# Altium PCB MB1428.PcbDoc (part 2 of 7)
Units mm, origin at the board's own origin, x right, y up, seen from the top; angles counter-clockwise.
Board outline 55.88 x 152.4 mm, 4 copper layers (Top Layer, Signal Layer 1, Signal Layer 2, Bottom Layer), stack 1.614 mm thick; 396 components, 227 nets, 1346 pads, 1469 vias.
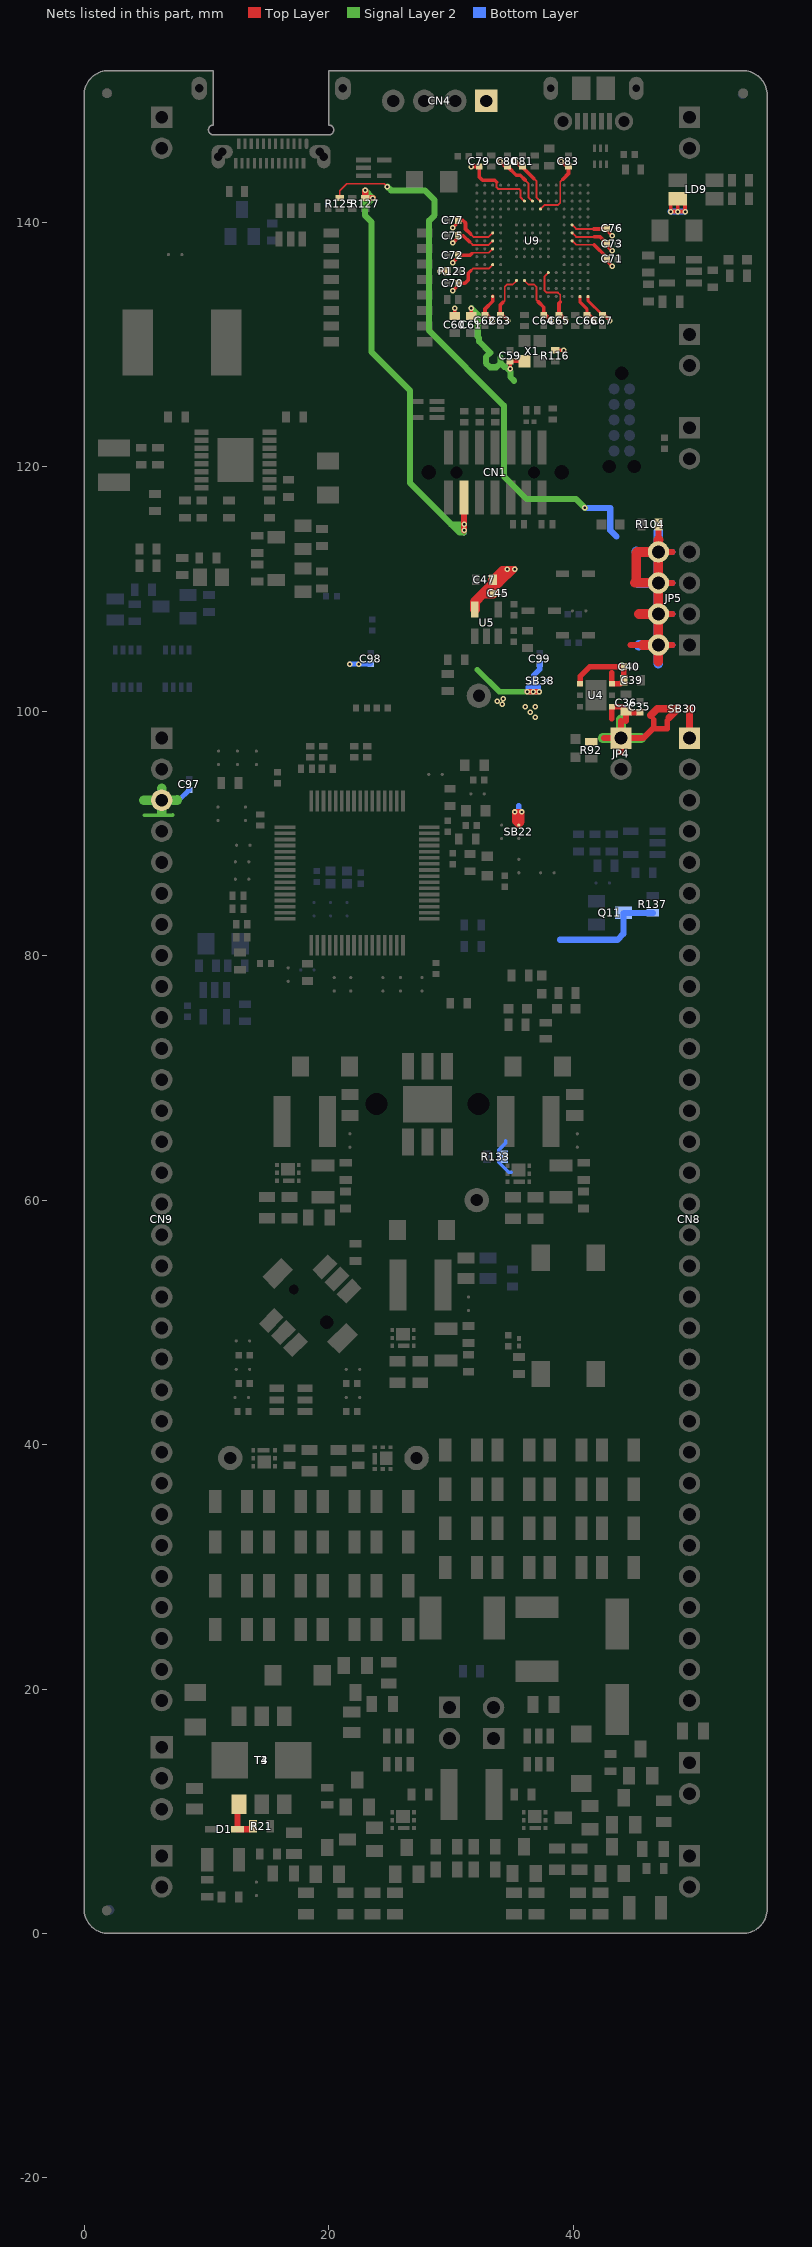
[diagram p4: the nets of this part, all layers, seen from the top]

## Footprints (in the part's own frame and the unit in brackets; to place one, negate y for a bottom-side part, rotate by r counter-clockwise, add the part's x,y. Pads: shape width x height; smd on the part's side, far side on the other; paste and mask are expansions set on the pad) (continued)
ICC_UFBGA201_176+25_10X10_P065 [mm] "IPC"
  round 0.25 smd mask+0.05: A1(-4.55,4.55) A2(-3.9,4.55) A3(-3.25,4.55) A4(-2.6,4.55) A5(-1.95,4.55) A6(-1.3,4.55) A7(-0.65,4.55) A8(0,4.55) A9(0.65,4.55) A10(1.3,4.55) A11(1.95,4.55) A12(2.6,4.55) A13(3.25,4.55) A14(3.9,4.55) A15(4.55,4.55) B1(-4.55,3.9) B2(-3.9,3.9) B3(-3.25,3.9) B4(-2.6,3.9) B5(-1.95,3.9) B6(-1.3,3.9) B7(-0.65,3.9) B8(0,3.9) B9(0.65,3.9) B10(1.3,3.9) B11(1.95,3.9) B12(2.6,3.9) B13(3.25,3.9) B14(3.9,3.9) B15(4.55,3.9) C1(-4.55,3.25) C2(-3.9,3.25) C3(-3.25,3.25) C4(-2.6,3.25) C5(-1.95,3.25) C6(-1.3,3.25) C7(-0.65,3.25) C8(0,3.25) C9(0.65,3.25) C10(1.3,3.25) C11(1.95,3.25) C12(2.6,3.25) C13(3.25,3.25) C14(3.9,3.25) C15(4.55,3.25) D1(-4.55,2.6) D2(-3.9,2.6) D3(-3.25,2.6) D4(-2.6,2.6) D5(-1.95,2.6) D6(-1.3,2.6) D7(-0.65,2.6) D8(0,2.6) D9(0.65,2.6) D10(1.3,2.6) D11(1.95,2.6) D12(2.6,2.6) D13(3.25,2.6) D14(3.9,2.6) D15(4.55,2.6) E1(-4.55,1.95) E2(-3.9,1.95) E3(-3.25,1.95) E4(-2.6,1.95) E12(2.6,1.95) E13(3.25,1.95) E14(3.9,1.95) E15(4.55,1.95) F1(-4.55,1.3) F2(-3.9,1.3) F3(-3.25,1.3) F4(-2.6,1.3) F6(-1.3,1.3) F7(-0.65,1.3) F8(0,1.3) F9(0.65,1.3) F10(1.3,1.3) F12(2.6,1.3) F13(3.25,1.3) F14(3.9,1.3) F15(4.55,1.3) G1(-4.55,0.65) G2(-3.9,0.65) G3(-3.25,0.65) G4(-2.6,0.65) G6(-1.3,0.65) G7(-0.65,0.65) G8(0,0.65) G9(0.65,0.65) G10(1.3,0.65) G12(2.6,0.65) G13(3.25,0.65) G14(3.9,0.65) G15(4.55,0.65) H1(-4.55,0) H2(-3.9,0) H3(-3.25,0) H4(-2.6,0) H6(-1.3,0) H7(-0.65,0) H8(0,0) H9(0.65,0) H10(1.3,0) H12(2.6,0) H13(3.25,0) H14(3.9,0) H15(4.55,0) J1(-4.55,-0.65) J2(-3.9,-0.65) J3(-3.25,-0.65) J4(-2.6,-0.65) J6(-1.3,-0.65) J7(-0.65,-0.65) J8(0,-0.65) J9(0.65,-0.65) J10(1.3,-0.65) J12(2.6,-0.65) J13(3.25,-0.65) J14(3.9,-0.65) J15(4.55,-0.65) K1(-4.55,-1.3) K2(-3.9,-1.3) K3(-3.25,-1.3) K4(-2.6,-1.3) K6(-1.3,-1.3) K7(-0.65,-1.3) K8(0,-1.3) K9(0.65,-1.3) K10(1.3,-1.3) K12(2.6,-1.3) K13(3.25,-1.3) K14(3.9,-1.3) K15(4.55,-1.3) L1(-4.55,-1.95) L2(-3.9,-1.95) L3(-3.25,-1.95) L4(-2.6,-1.95) L12(2.6,-1.95) L13(3.25,-1.95) L14(3.9,-1.95) L15(4.55,-1.95) M1(-4.55,-2.6) M2(-3.9,-2.6) M3(-3.25,-2.6) M4(-2.6,-2.6) M5(-1.95,-2.6) M6(-1.3,-2.6) M7(-0.65,-2.6) M8(0,-2.6) M9(0.65,-2.6) M10(1.3,-2.6) M11(1.95,-2.6) M12(2.6,-2.6) M13(3.25,-2.6) M14(3.9,-2.6) M15(4.55,-2.6) N1(-4.55,-3.25) N2(-3.9,-3.25) N3(-3.25,-3.25) N4(-2.6,-3.25) N5(-1.95,-3.25) N6(-1.3,-3.25) N7(-0.65,-3.25) N8(0,-3.25) N9(0.65,-3.25) N10(1.3,-3.25) N11(1.95,-3.25) N12(2.6,-3.25) N13(3.25,-3.25) N14(3.9,-3.25) N15(4.55,-3.25) P1(-4.55,-3.9) P2(-3.9,-3.9) P3(-3.25,-3.9) P4(-2.6,-3.9) P5(-1.95,-3.9) P6(-1.3,-3.9) P7(-0.65,-3.9) P8(0,-3.9) P9(0.65,-3.9) P10(1.3,-3.9) P11(1.95,-3.9) P12(2.6,-3.9) P13(3.25,-3.9) P14(3.9,-3.9) P15(4.55,-3.9) R1(-4.55,-4.55) R2(-3.9,-4.55) R3(-3.25,-4.55) R4(-2.6,-4.55) R5(-1.95,-4.55) R6(-1.3,-4.55) R7(-0.65,-4.55) R8(0,-4.55) R9(0.65,-4.55) R10(1.3,-4.55) R11(1.95,-4.55) R12(2.6,-4.55) R13(3.25,-4.55) R14(3.9,-4.55) R15(4.55,-4.55)
  silkscreen extent -5.22,-5.07 5.07,5.23, body extent -5.07,-5.07 5.07,5.07, height 0.61
IND_8040_WURTH_74437358068 [mm] "MCD-01372"
  rect 2.5x5.4 smd mask+0.05: 1(-3.625,0) 2(3.625,0)
  silkscreen extent -4.6,-4.25 4.6,4.25, body extent -4.6,-4.25 4.6,4.25, height 4
IND_SUNLORD_SWPA5040S [mm] "MCD-01734"
  rect 4.2x1.4 smd mask+0.05: 1(0,1.85) 2(0,-1.85)
  silkscreen extent -2.6,-2.68 2.6,2.68, body extent -2.6,-2.6 2.6,2.6, height 4
L0603 [mm]
  rect 0.8x0.95 smd mask+0.05: 1(-0.8,0) 2(0.8,0)
  silkscreen extent -1.33,-0.6 1.33,0.6, body extent -0.87,-0.47 0.87,0.47, height 0.95
LED_0603_GREEN [mm]
  rect 0.8x0.8 smd mask+0.05: 1(-0.75,0) 2(0.75,0)
  silkscreen extent -0.25,-0.4 1.25,0.4, body extent -0.8,-0.4 0.8,0.4, height 0.6
LED_0603_ORANGE_H0P4 [mm]
  rect 0.8x0.8 smd mask+0.05: 1(-0.75,0) 2(0.75,0)
  silkscreen extent -0.25,-0.4 1.25,0.4, body extent -0.8,-0.4 0.79,0.4, height 0.4
LED_0603_RED [mm]
  rect 0.8x0.8 smd mask+0.05: 1(-0.75,0) 2(0.75,0)
  silkscreen extent -0.25,-0.4 1.25,0.4, body extent -0.8,-0.4 0.8,0.4, height 0.6
LED_0603_SMD-B_BLUE_H0P4 [mm]
  rect 0.6x1 smd mask+0.05: 1(-0.65,0) 2(0.65,0)
  silkscreen extent -0.23,-0.45 1.07,0.45, body extent -0.85,-0.45 0.85,0.45, height 0.5
LED_BI-GR_HSMF-A201-A00J1 [mm] "MCD-00051"
  rect 1.1x1.5 smd mask+0.05: 1(-0.75,-1.5) 2(-0.75,1.5) 3(0.75,1.5) 4(0.75,-1.5)
  silkscreen extent -1.65,-1.85 1.5,1.7, body extent -1.5,-1.85 1.5,1.85, height 2.1
LED_PLCC6-EPAD_LUMEX_SML-LX5050SIUPGUBC [mm] "MCD-01580"
  rect 2.2x1 smd mask+0.05: 1(3.1,-1.6) 2(3.1,0) 3(3.1,1.6) 4(-3.1,1.6) 5(-3.1,0) 6(-3.1,-1.6)
  rect 3x4 smd mask+0.05: 7(0,0)
  silkscreen extent -2.5,-2.5 3.2,2.5, body extent -2.5,-2.5 2.5,2.5, height 1.35
LIGHT_10MM-SQUARE-LIGHT-BAR_LUMEX_LPB-S01110101S [mm] "MCD-01191"
  round 0 hole 1.8 slot 3.8 at 90 deg unplated mask+0.05: NPTH1(-4.18,0) NPTH2(4.18,0)
  Bottom Layer keep-out region: -5.2,1.075 -5.2,-1.075 -5.75,-1.075 -5.75,-1.05 -5.75,1.075
  Bottom Layer keep-out region: 5.2,-1.075 5.2,1.075 5.75,1.075 5.75,1.05 5.75,-1.075
  silkscreen extent -5.08,-5.08 5.08,5.08, body extent -5.08,-5.08 5.08,5.08, height 10.3
LOGO_ETIQUETTE [mm]
  silkscreen extent 0,0 27,10
MIRE_PLACE_SMD_0P8MM [mm]
  round 0.8 smd paste-10 mask+0.2: 1(0,0)
  Top Layer keep-out circle w0.01: c0,0 r0.804
MOS_POWERFLAT_2X2_P065 [mm] "MCD-01028  PowerFLAT, 6-Leads, Body 2.1x2.1mm"
  rect 0.35x0.3 smd mask+0.038: 1(-0.65,-0.9) 2(0,-0.9) 3(0.65,-0.9) 4(0.65,0.875) 5(0,0.875) 6(-0.65,0.875)
  rect 0.35x0.95 smd mask+0.038: 7(0.65,0.05)
  rect 1.05x1.125 smd mask+0.038: 8(-0.3,-0.012)
  silkscreen extent -1.2,-1.2 1.05,1.05, body extent -1.05,-1.05 1.05,1.05, height 0.81
MOS_POWERFLAT_3P3X3P3_P065 [mm] "MCD-01126"
  rect 0.4x0.75 smd mask+0.05: 1(-0.975,-1.525) 2(-0.325,-1.525) 3(0.325,-1.525) 4(0.975,-1.525) 6(0.325,1.525) 7(-0.325,1.525)
  rect 0.45x0.75 smd mask+0.05: 5(1,1.525) 8(-1,1.525)
  Top Layer region: -1.755,0.2 -1.755,-0.2 -1.225,-0.2 -1.225,-0.5 1.225,-0.5 1.225,-0.2 1.755,-0.2 1.755,0.2 1.225,0.2 1.225,1.9 -1.225,1.9 -1.225,0.2
  silkscreen extent -1.63,-1.55 1.63,1.55, body extent -1.75,-1.75 1.75,1.75, height 0.91
MOS_SOT23 [mm]
  rect 1x1.4 smd mask+0.05: 1(-0.95,-1.1) 2(0.95,-1.1) 3(0,1.1)
  silkscreen extent -1.63,-0.82 1.63,0.82, body extent -1.56,-1.25 1.56,1.25, height 1.1
MOS_SOT23-5L [mm]
  rect 0.6x1.3 smd mask+0.05: 1(-0.95,-1.1) 2(0,-1.1) 3(0.95,-1.1) 4(0.95,1.1) 5(-0.95,1.1)
  silkscreen extent -1.6,-0.95 1.6,0.97, body extent -1.52,-1.25 1.52,1.25, height 1.45
MOS_SOT23-6L [mm]
  rect 0.6x1.2 smd mask+0.05: 1(-0.95,-1.15) 2(0,-1.15) 3(0.95,-1.15) 4(0.95,1.15) 5(0,1.15) 6(-0.95,1.15)
  silkscreen extent -1.53,-0.87 1.53,0.87, body extent -1.52,-1.5 1.52,1.5, height 1.3
NPN_SOT23 [mm]
  rect 1x1.4 smd mask+0.05: 1(-0.95,-1.1) 2(0.95,-1.1) 3(0,1.1)
  silkscreen extent -1.63,-0.82 1.63,0.82, body extent -1.56,-1.25 1.56,1.25, height 1.1
OSC_NDK_NZ2520SB_4P [mm]
  rect 1x1 smd mask+0.05: 1(-0.825,-0.625) 2(0.825,-0.625) 3(0.825,0.625) 4(-0.825,0.625)
  silkscreen extent -1.43,-1.22 1.2,1.05, body extent -1.3,-1.05 1.3,1.05, height 0.91
PTC_EATON_FUSE_PTS1812_H0P9 [mm] "MCD-01682"
  rect 1.78x3.5 smd mask+0.05: 1(-2.615,0) 2(2.615,0)
  silkscreen extent -1.6,-1.73 1.6,1.73, body extent -2.36,-1.74 2.37,1.74, height 1.03
R0402 [mm]
  rect 0.51x0.7 smd mask+0.05: 1(-0.45,0) 2(0.45,0)
  silkscreen extent 0,-0.3 0,0.3, body extent -0.52,-0.3 0.52,0.3, height 0.4
R0603 [mm]
  rect 0.64x1 smd mask+0.05: 1(-0.7,0) 2(0.7,0)
  silkscreen extent -1.05,-0.58 1.05,0.58, body extent -0.9,-0.5 0.9,0.5, height 0.56
R0603_H0P45 [mm]
  rect 0.64x1 smd mask+0.05: 1(-0.7,0) 2(0.7,0)
  silkscreen extent -1.05,-0.58 1.05,0.58, body extent -0.9,-0.5 0.9,0.5, height 0.56
R0805 [mm]
  rect 0.85x1.3 smd mask+0.05: 1(-0.875,0) 2(0.875,0)
  silkscreen extent -0.33,-0.67 0.33,0.67, body extent -1.05,-0.68 1.05,0.68, height 0.65
R0805_H0P5 [mm] "MCD-01537"
  rect 0.85x1.3 smd mask+0.05: 1(-0.875,0) 2(0.875,0)
  silkscreen extent -0.33,-0.67 0.33,0.67, body extent -1.05,-0.68 1.05,0.68, height 0.6
R1206_H0P55 [mm]
  rect 1x1.9 smd mask+0.05: 1(-1.3,0) 2(1.3,0)
  silkscreen extent -0.67,-0.85 0.67,0.85, body extent -1.6,-0.85 1.6,0.85, height 0.65
REG_SOT23-5L [mm]
  rect 0.6x1.3 smd mask+0.05: 1(-0.95,-1.1) 2(0,-1.1) 3(0.95,-1.1) 4(0.95,1.1) 5(-0.95,1.1)
  silkscreen extent -1.6,-0.95 1.6,0.97, body extent -1.52,-1.25 1.52,1.25, height 1.1
Sheetbox_4L2S [mil] "Sheetbox 4 layers / 2 silkscreens"
  round 20 on Mech16: 1(813.78,210.69) 1(2736.9,210.69)
SOLDER-BRIDGE_R0603-0R [mil]
  round 10 smd paste-393.7: 1(-19.69,0) 2(23.62,0)
  Top Layer region: -5.91,19.69 13.78,0 -5.91,-19.68 47.24,-19.68 47.24,19.69 -5.91,19.69
  Top Layer region: -47.24,-19.68 -47.24,19.69 -15.75,19.69 3.94,0 -15.75,-19.68 -47.24,-19.68
  silkscreen extent -50,-23 50,23, body extent -36,-20 36,20, height 22
SWI_C&K_TDP08H1SBD1 [mm] "MCD-01684"
  rect 0.76x1.27 smd mask+0.05: 1(-4.445,-3.81) 2(-3.175,-3.81) 3(-1.905,-3.81) 4(-0.635,-3.81) 5(0.635,-3.81) 6(1.905,-3.81) 7(3.175,-3.81) 8(4.445,-3.81) 9(-4.445,3.81) 10(-3.175,3.81) 11(-1.905,3.81) 12(-0.635,3.81) 13(0.635,3.81) 14(1.905,3.81) 15(3.175,3.81) 16(4.445,3.81)
  silkscreen extent -5.65,-3 5.65,3, body extent -5.65,-4.06 5.65,4.06, height 4.4
SWI_WEALTHMETAL_TD-0341_4P_BLACK [mm]
  rect 1.52x2.16 smd mask+0.05: 1(-2.25,-4.75) 2(-2.25,4.75) 3(2.25,-4.75) 4(2.25,4.75)
  silkscreen extent -3,-3.5 3,3.5, body extent -3,-5.15 3,5.15, height 7.55
SWI_XIEJIA_MT-008A_6P [mm] "MCD-00132"
  rect 1.8x1.1 smd mask+0.05: 1(-3.1,1.4) 2(-3.1,0) 3(-3.1,-1.4) 4(3.1,1.4) 5(3.1,0) 6(3.1,-1.4)
  rect 2.2x1.4 smd mask+0.05: 7(0,3.75) 8(0,-3.75)
  round 0 hole 0.8 unplated paste-10 mask+0.05: NPTH1(0,1.9)
  round 0 hole 1.1 unplated paste-10 mask+0.05: NPTH2(0,-1.9)
  silkscreen extent -3.7,-3.7 3.7,3.7, body extent -3.85,-3.75 3.85,3.75, height 5.2
TP_PTH_1MM_2MM [mm] "MCD-01506"
  round 2 hole 1 mask+0.05: 1(0,0)
  silkscreen extent -1.2,-1.2 1.2,1.2
TRS_WURTH_749251125 [mm] "MCD-01570"
  rect 1.6x1.2 smd mask+0.05: 1(-3.6,1.85) 2(-3.6,0) 3(-3.6,-1.85) 4(3.6,-1.85) 5(3.6,0) 6(3.6,1.85)
  rect 3x2.5 smd mask+0.05: 7(0,-2.6) 8(0,2.6)
  silkscreen extent -3,-3 3,3, body extent -3.85,-3.45 3.85,3.45, height 5.33
TRS_WURTH_750317809 [mm] "MCD-01596"
  rect 1.6x1.2 smd mask+0.05: 1(-3.6,1.85) 2(-3.6,0) 3(-3.6,-1.85) 4(3.6,-1.85) 5(3.6,0) 6(3.6,1.85)
  rect 3x3 smd mask+0.05: 7(0,-2.6) 8(0,2.6)
  silkscreen extent -3,-3 3,3, body extent -3.85,-3.45 3.85,3.45, height 5.33

## Part data
B1: library part MCD-00001, "Non-Open Push-Button 0.1A 24V BLACK", Manufacturer=WEALTHMETAL, Manufacturer_Part_Number=TD-0341, ComponentLink1Description=Datasheet, ComponentLink1URL=http://tunmcdsvn.tun.st.com/Component_Datasheet_Library/Trunk/Misc/Wealthmetal_Tact-Switch_TD0341, Internal_Part_Number=MCD-00001, Part_Type=Misc, Provided_By=SUBCO, Status=Released
B2: library part MCD-00132, "Joystick, 4 dir, 1 OK", Manufacturer="XIEJIA Electronics", Manufacturer_Part_Number=MT-008A, ComponentLink1Description=Datasheet, ComponentLink1URL="http://tunmcdsvn.tun.st.com/Component_Datasheet_Library/Trunk/Misc/Xieja electronics_MT-008A", Internal_Part_Number=MCD-00132, Part_Type=Misc, Provided_By=SUBCO, Status=Released
C1: library part MCD-01576, "Capacitor, MLCC, 680pF, 16V, X7R, 10%, 0603, T=0.8mm", Manufacturer=YAGEO, Manufacturer_Part_Number=CC0603KRX7R7BB681, Package=C0603, ComponentLink1Description=Datasheet, ComponentLink1URL=http://tunmcdsvn.tun.st.com/Component_Datasheet_Library/Trunk/Capacitors/Yageo_Multilayer_Capacitor_X7R_series_100pF_to_22uF/YAGEO_MLCC_UPY-GPHC_X7R_6.3V-to-50V_18.pdf, Internal_Part_Number=MCD-01576, Part_Type=Capacitor, Provided_By=SUBCO, Status="Footprint available"
C2: library part MCD-01544, "Capacitor, MLCC, 6.8nF, 50V, X7R, 10%, 0603, T=0.8mm", Manufacturer=YAGEO, Manufacturer_Part_Number=CC0603KRX7R9BB682, Package=C0603, ComponentLink1Description=Datasheet, ComponentLink1URL=http://tunmcdsvn.tun.st.com/Component_Datasheet_Library/Trunk/Capacitors/Yageo_Multilayer_Capacitor_X7R_series_100pF_to_22uF/Yageo_Mutilayer_Capacitor_X7R_100pF_to_22uF.pdf, Internal_Part_Number=MCD-01544, Part_Type=Capacitor, Provided_By=SUBCO, Status="Footprint available"
C3: library part MCD-01103, "Capacitor,22nF,50V,X7R,10%,0603", Manufacturer=YAGEO, Manufacturer_Part_Number=CC0603KRX7R9BB223, Package=C0603, ComponentLink1Description=Datasheet, ComponentLink1URL=http://tunmcdsvn.tun.st.com/Component_Datasheet_Library/Trunk/Capacitors/Yageo_Multilayer_Capacitor_X7R_series_100pF_to_22uF/Yageo_Mutilayer_Capacitor_X7R_100pF_to_22uF.pdf, Internal_Part_Number=MCD-01103, Part_Type=Capacitor, Provided_By=SUBCO, Status="Footprint available"
C4 C5 C6 C9 C87: library part MCD-01525, "Capacitor, MLCC, 100nF, 50V, X7R, 10%, 0805, T=0,85mm", Manufacturer=YAGEO, Manufacturer_Part_Number=CC0805KRX7R9BB104, Package=C0805, ComponentLink1Description=Datasheet, ComponentLink1URL=http://tunmcdsvn.tun.st.com/Component_Datasheet_Library/Trunk/Capacitors/Yageo_Multilayer_Capacitor_X7R_series_100pF_to_22uF/Yageo_Mutilayer_Capacitor_X7R_100pF_to_22uF.pdf, Internal_Part_Number=MCD-01525, Part_Type=Capacitor, Provided_By=SUBCO, Status="Footprint available"
C7: library part MCD-01683, "Capacitor, Electrolytic, 100µF, 35V, 20%, SMT, D=8mm, T=10.5mm", Manufacturer="WURTH ELEKTRONIK", Manufacturer_Part_Number=865060553006, ComponentLink1Description=Datasheet, ComponentLink1URL=http://tunmcdsvn.tun.st.com/Component_Datasheet_Library/Trunk/Capacitors/WURTH_ELEKTRONIC_Electrolytic_ASLL_Series/WURTH_ELEKTRONIC_ASLL-Series_100uF_865060553006.pdf, Internal_Part_Number=MCD-01683, Part_Type=Capacitor, Provided_By=SUBCO, Revision="July-2002: Re-released for DXP Platform.", Status="Footprint available"
C8: library part MCD-01517, "Capacitor, MLCC, 47uF, 25V, X5R, 20%, 1206, T=1,6mm", Manufacturer=TDK, Manufacturer_Part_Number=C3216X5R1E476M160AC, Package=C1206, ComponentLink1Description=Datasheet, ComponentLink1URL=http://tunmcdsvn.tun.st.com/Component_Datasheet_Library/Trunk/Capacitors/TDK_Capacitor_MCC_series/TDK_Capacitor_MCC_series.pdf, ECCN_EU=NEC, ECCN_US=EAR99, Internal_Part_Number=MCD-01517, Part_Type=Capacitor, Provided_By=SUBCO, Status="NRND (Not Recommended for New Design)"
C10 C11 C12 C13 C15 C16 C24 C25 C26 C28 C30 C31 C33 C34 C35 C40 C43 C45 C56 C59 C62 C63 C64 C65 C66 C67 C70 C71 C72 C73 C75 C76 C77 C79 C80 C81 C83 C88 C97 C98 C99 C100 C101 C103 C104: library part MCD-00102, "Capacitor, MLCC, 100nF, 16V, X7R, 10%, 0402, T=0,5mm", Alternate_Manufacturer=MURATA, Alternate_Manufacturer_Part_Number=GCM155R71C104KA55D, Manufacturer=YAGEO, Manufacturer_Part_Number=CC0402KRX7R7BB104, Package=C0402, ComponentLink1Description=Datasheet, ComponentLink1URL=http://tunmcdsvn.tun.st.com/Component_Datasheet_Library/Trunk/Capacitors/Yageo_Multilayer_Capacitor_X7R_series_100pF_to_22uF, Internal_Part_Number=MCD-00102, Part_Type=Capacitor, Provided_By=SUBCO, Status=Released
C14 C18 C19 C22 C90 C91: library part MCD-01731, "Capacitor, MLCC, 470pF, 100V, X7R, 10%, 0603, T=0.8mm", Manufacturer=YAGEO, Manufacturer_Part_Number=CC0603KRX7R0BB471, Package=C0603, ComponentLink1Description=Datasheet, ComponentLink1URL=http://tunmcdsvn.tun.st.com/Component_Datasheet_Library/Trunk/Capacitors/Yageo_Multilayer_Capacitor_NPO_X7R_100V_to_630V_0.47pF%20to%202.2uF/Yageo_Multilayer_Capacitor_NPO_X7R_V21_100V_to_630V_0.47pF_to_2.2uF.pdf, Internal_Part_Number=MCD-01731, Part_Type=Capacitor, Provided_By=SUBCO, Status="Footprint available"
C17 C20 C21: library part MCD-01550, "Capacitor, MLCC, 1uF, 16V, X5R, 10%, 0805, T=0.85mm", Manufacturer=YAGEO, Manufacturer_Part_Number=CC0805KRX5R7BB105, Package=C0805, ComponentLink1Description=Datasheet, ComponentLink1URL=http://tunmcdsvn.tun.st.com/Component_Datasheet_Library/Trunk/Capacitors/Yageo_Multilayer_Capacitor_X7R_series_100pF_to_22uF/YAGEO_MLCC_UPY-GPHC_X7R_6.3V-to-50V_18.pdf, Internal_Part_Number=MCD-01550, Part_Type=Capacitor, Provided_By=SUBCO, Status="Footprint available"
C23 C29 C36 C39 C42 C47 C55 C61 C68 C69: library part MCD-00010, "Capacitor, MLCC, 1uF, 16V, X5R, 10%, 0603, T=0,8mm", Manufacturer=YAGEO, Manufacturer_Part_Number=CC0603KRX5R7BB105, Package=C0603, ComponentLink1Description=Datasheet, ComponentLink1URL=http://tunmcdsvn.tun.st.com/Component_Datasheet_Library/Trunk/Capacitors/Yageo_Multilayer_capacitor_X5R_series_100pF_to_100uF, Internal_Part_Number=MCD-00010, Part_Type=Capacitor, Provided_By=SUBCO, Status=Released
C27 C96: library part MCD-01124, "Capacitor, MLCC, 10µF, 10V, X5R, 10%, 0603, T=0.8mm", Manufacturer=MURATA, Manufacturer_Part_Number=GRM188R61A106KAAL, Package=C0603, ComponentLink1Description=Datasheet, ComponentLink1URL=http://tunmcdsvn.tun.st.com/Component_Datasheet_Library/Trunk/Capacitors/Murata_Capacitor_GR_series, Internal_Part_Number=MCD-01124, Part_Type=Capacitor, Provided_By=SUBCO, Status=Released
C32 C51 C60 C86: library part MCD-00009, "Capacitor, MLCC, 4.7uF, 16V, X5R, 10%, 0603, T=0.8mm", Manufacturer=YAGEO, Manufacturer_Part_Number=CC0603KRX5R7BB475, Package=C0603, ComponentLink1Description=Datasheet, ComponentLink1URL=http://tunmcdsvn.tun.st.com/Component_Datasheet_Library/Trunk/Capacitors/Yageo_Multilayer_capacitor_X5R_series_100pF_to_100uF, Internal_Part_Number=MCD-00009, Part_Type=Capacitor, Provided_By=SUBCO, Status=Released
C37 C38: library part MCD-01597, "Capacitor, MLCC, 390pF, 50V, NPO, 5%, 0402, T=0,5mm", Manufacturer=YAGEO, Manufacturer_Part_Number=CC0402JRNPO9BN391, Package=C0402, ComponentLink1Description=Datasheet, ComponentLink1URL=http://tunmcdsvn.tun.st.com/Component_Datasheet_Library/Trunk/Capacitors/Yageo_Capacitor_NP0_16V-to-50V, Internal_Part_Number=MCD-01597, Part_Type=Capacitor, Provided_By=SUBCO, Status="Footprint available"
C41 C49: library part MCD-01007, "Capacitor, MLCC, 10nF, 16V, X7R, 10%, 0603, T=0.8mm", Manufacturer=YAGEO, Manufacturer_Part_Number=CC0603KRX7R7BB103, Package=C0603, ComponentLink1Description=Datasheet, ComponentLink1URL=http://tunmcdsvn.tun.st.com/Component_Datasheet_Library/Trunk/Capacitors/Yageo_Multilayer_Capacitor_X7R_series_100pF_to_22uF/, Internal_Part_Number=MCD-01007, Part_Type=Capacitor, Provided_By=SUBCO, Status=Released
C44: library part MCD-00011, "Capacitor, MLCC, 10nF, 16V, X7R, 10%, 0402, T=0.5mm", Manufacturer=YAGEO, Manufacturer_Part_Number=CC0402KRX7R7BB103, Package=C0402, ComponentLink1Description=Datasheet, ComponentLink1URL=http://tunmcdsvn.tun.st.com/Component_Datasheet_Library/Trunk/Capacitors/Yageo_Multilayer_Capacitor_X7R_series_100pF_to_22uF, Internal_Part_Number=MCD-00011, Part_Type=Capacitor, Provided_By=SUBCO, Status=Released
C46: library part MCD-01719, "Capacitor, MLCC, 27nF, 25V, C0G, 5%, 0805, T=1.1mm", Manufacturer=KEMET, Manufacturer_Part_Number=C0805C273J3GACTU, Package=C0805, ComponentLink1Description=Datasheet, ComponentLink1URL=http://tunmcdsvn.tun.st.com/Component_Datasheet_Library/Trunk/Capacitors/KEMET_Capacitor_C0G-series/KEMET_Capacitor_C0G-series.pdf, Internal_Part_Number=MCD-01719, Part_Type=Capacitor, Provided_By=n/a, Status="Footprint available"
C48: library part MCD-00637, "Capacitor, MLCC, 10pF, 50V, NPO, 5%, 0603, T=0,8mm", Manufacturer=YAGEO, Manufacturer_Part_Number=CC0603JRNPO9BN100, Package=C0603, ComponentLink1Description=Datasheet, ComponentLink1URL=http://tunmcdsvn.tun.st.com/Component_Datasheet_Library/Trunk/Capacitors/Yageo_Capacitor_NP0_16V-to-50V, Internal_Part_Number=MCD-00637, Part_Type=Capacitor, Provided_By=SUBCO, Status=Released
C50: library part MCD-01923, "Capacitor, MLCC, 2.7nF, 16V, NPO, 5%, 0603, T=0,8mm", Manufacturer=YAGEO, Manufacturer_Part_Number=CC0603JRNPO7BN272, Package=C0603, ComponentLink1Description=Datasheet, ComponentLink1URL=http://tunmcdsvn.tun.st.com/Component_Datasheet_Library/Trunk/Capacitors/Yageo_UPY-GP_NP0_16V-to-50V/YAGEO_NP0_UPY-GP_NP0_16V-to-50V_16.pdf, ECCN_EU=n/a, ECCN_US=n/a, Internal_Part_Number=MCD-01923, Part_Type=Capacitor, Provided_By=SUBCO, Status="Footprint available"
C52: library part MCD-01559, "Capacitor, MLCC, 6.8uF, 50V, X5R, 10%, 1206, T=1.6mm", Manufacturer=TDK, Manufacturer_Part_Number=C3216X5R1H685K160AB, Package=C1206, ComponentLink1Description=Datasheet, ComponentLink1URL=http://tunmcdsvn.tun.st.com/Component_Datasheet_Library/Trunk/Capacitors/TDK_Capacitor_MCC_series/TDK_Capacitor_MCC_series.pdf, Internal_Part_Number=MCD-01559, Part_Type=Capacitor, Provided_By=SUBCO, Status="Footprint available"
C53: library part MCD-01703, "Capacitor,1uF,50V,X5R,10%,0603, T=0.8mm", Manufacturer=YAGEO, Manufacturer_Part_Number=CC0603KRX5R9BB105, Package=C0603, ComponentLink1Description=Datasheet, ComponentLink1URL=http://tunmcdsvn.tun.st.com/Component_Datasheet_Library/Trunk/Capacitors/Yageo_Multilayer_capacitor_X5R_series_100pF_to_100uF/YAGEO_MLCC_UPY-GPHC_X5R_4V-to-50V_25.pdf, Internal_Part_Number=MCD-01703, Part_Type=Capacitor, Provided_By=SUBCO, Status="Footprint available"
C54: library part MCD-00614, "Capacitor, MLCC, 22uF, 16V, 1210, X7R, 20%, T=2,5mm, ESR 2mohm@410KHz", Manufacturer=MURATA, Manufacturer_Part_Number=GCM32ER71C226ME19, Package=C1210, ComponentLink1Description=Datasheet, ComponentLink1URL=http://tunmcdsvn.tun.st.com/Component_Datasheet_Library/Trunk/Capacitors/Murata_Capacitor_GC_series, Internal_Part_Number=MCD-00614, Part_Type=Capacitor, Provided_By=SUBCO, Status=Checked
C57 C58: library part MCD-01667, "Capacitor, MLCC, 68nF, 50V, X7R, 10%, 0603, T=0.8mm", Manufacturer=YAGEO, Manufacturer_Part_Number=CC0603KRX7R9BB683, Package=C0603, ComponentLink1Description=Datasheet, ComponentLink1URL=http://tunmcdsvn.tun.st.com/Component_Datasheet_Library/Trunk/Capacitors/Yageo_Multilayer_Capacitor_X7R_series_100pF_to_22uF/YAGEO_MLCC_UPY-GPHC_X7R_6.3V-to-50V_18.pdf, Internal_Part_Number=MCD-01667, Part_Type=Capacitor, Provided_By=SUBCO, Status="Footprint available"
C74 C78: library part MCD-00008, "Capacitor, MLCC, 2.2uF, 16V, X7R, 10%, 1206, T=1,15mm", Alternate_Manufacturer=KEMET, Alternate_Manufacturer_Part_Number=C1206C225K4RAC, Manufacturer=YAGEO, Manufacturer_Part_Number=CC1206KKX7R7BB225, Package=C1206, ComponentLink1Description=Datasheet, ComponentLink1URL=http://tunmcdsvn.tun.st.com/Component_Datasheet_Library/Trunk/Capacitors/Yageo_Multilayer_Capacitor_X7R_series_100pF_to_22uF, Internal_Part_Number=MCD-00008, Part_Type=Capacitor, Provided_By=SUBCO, Status=Released
C82: library part MCD-00012, "Capacitor, MLCC, 2.2uF, 10V, X5R, 10%, 0603, T=0,8mm", Alternate_Manufacturer=KEMET, Alternate_Manufacturer_Part_Number=C0603C225K8PACTU, Manufacturer=YAGEO, Manufacturer_Part_Number=CC0603KRX5R6BB225, Package=C0603, ComponentLink1Description=Datasheet, ComponentLink1URL=http://tunmcdsvn.tun.st.com/Component_Datasheet_Library/Trunk/Capacitors/Yageo_Multilayer_capacitor_X5R_series_100pF_to_100uF, Internal_Part_Number=MCD-00012, Part_Type=Capacitor, Provided_By=SUBCO, Status=Released
C84: library part MCD-00016, "Capacitor, MLCC, 20pF, 50V, NPO, 5%, 0402, T=0,5mm", Manufacturer=YAGEO, Manufacturer_Part_Number=CC0402JRNPO9BN200, Package=C0402, ComponentLink1Description=Datasheet, ComponentLink1URL=http://tunmcdsvn.tun.st.com/Component_Datasheet_Library/Trunk/Capacitors/Yageo_Capacitor_NP0_16V-to-50V, Internal_Part_Number=MCD-00016, Part_Type=Capacitor, Provided_By=SUBCO, Status=Released
C85: library part MCD-00205, "Capacitor, MLCC, 100pF, 50V, NPO, 5%, 0402, T=0,5mm", Manufacturer=YAGEO, Manufacturer_Part_Number=CC0402JRNPO9BN101, Package=C0402, ComponentLink1Description=Datasheet, ComponentLink1URL=http://tunmcdsvn.tun.st.com/Component_Datasheet_Library/Trunk/Capacitors/Yageo_Capacitor_NP0_16V-to-50V, Internal_Part_Number=MCD-00205, Part_Type=Capacitor, Provided_By=SUBCO, Status=Released
C89: library part MCD-01184, "Capacitor, COG, 22nF,50V, X7S, 5%, 1206, T=0.85mm", Manufacturer=MURATA, Manufacturer_Part_Number=GRM3195C1H223JA01L, Package=C1206, ComponentLink1Description=Datasheet, ComponentLink1URL=http://tunmcdsvn.tun.st.com/Component_Datasheet_Library/Trunk/Capacitors/Murata_Capacitor_GR_series, Internal_Part_Number=MCD-01184, Part_Type=Capacitor, Provided_By=SUBCO, Status=Released
C92 C93: library part MCD-00674, "Capacitor, MLCC, 6.8pF, 50V, NPO, +-0.25pF, 0402, T=0.5mm", Manufacturer=YAGEO, Manufacturer_Part_Number=CC0402CRNPO9BN6R8, Package=C0402, ComponentLink1Description=Datasheet, ComponentLink1URL=http://tunmcdsvn.tun.st.com/Component_Datasheet_Library/Trunk/Capacitors/Yageo_Capacitor_NP0_16V-to-50V, Internal_Part_Number=MCD-00674, Part_Type=Capacitor, Provided_By=SUBCO, Status=Released
C94: library part MCD-01648, "Capacitor, MLCC, 100pF, 50V, NPO, 5%, 0603, T=0,8mm", Manufacturer=YAGEO, Manufacturer_Part_Number=CC0603JRNPO9BN101, Package=C0603, ComponentLink1Description=Datasheet, ComponentLink1URL=http://tunmcdsvn.tun.st.com/Component_Datasheet_Library/Trunk/Capacitors/Yageo_UPY-GP_NP0_16V-to-50V/YAGEO_NP0_UPY-GP_NP0_16V-to-50V_16.pdf, Internal_Part_Number=MCD-01648, Part_Type=Capacitor, Provided_By=SUBCO, Status="Footprint available"
C95: library part MCD-00211, "Capacitor, MLCC, 100nF, 16V, X7R, 10%, 0603, T=0,8mm", Manufacturer=YAGEO, Manufacturer_Part_Number=CC0603KRX7R7BB104, Package=C0603, ComponentLink1Description=Datasheet, ComponentLink1URL=http://tunmcdsvn.tun.st.com/Component_Datasheet_Library/Trunk/Capacitors/Yageo_Multilayer_Capacitor_X7R_series_100pF_to_22uF, Internal_Part_Number=MCD-00211, Part_Type=Capacitor, Provided_By=SUBCO, Status=Released
C102: library part MCD-01549, "Capacitor, MLCC, 1nF, 50V, X7R,10%, 0805, T=0,6mm", Manufacturer=YAGEO, Manufacturer_Part_Number=CC0805KRX7R9BB102, Package=C0805, ComponentLink1Description=Datasheet, ComponentLink1URL=http://tunmcdsvn.tun.st.com/Component_Datasheet_Library/Trunk/Capacitors/Yageo_Multilayer_Capacitor_X7R_series_100pF_to_22uF/Yageo_Mutilayer_Capacitor_X7R_100pF_to_22uF.pdf, Internal_Part_Number=MCD-01549, Part_Type=Capacitor, Provided_By=SUBCO, Status="Footprint available"
C105: library part MCD-01099, "Capacitor,100nF,50V,X7R,10%,0603", Manufacturer=YAGEO, Manufacturer_Part_Number=CC0603KRX7R9BB104, Package=C0603, ComponentLink1Description=Datasheet, ComponentLink1URL=http://tunmcdsvn.tun.st.com/Component_Datasheet_Library/Trunk/Capacitors/Yageo_Multilayer_Capacitor_X7R_series_100pF_to_22uF/Yageo_Mutilayer_Capacitor_X7R_100pF_to_22uF.pdf, Internal_Part_Number=MCD-01099, Part_Type=Capacitor, Provided_By=SUBCO, Status="Footprint available"
CN1: library part MCD-00592, "Header 7x2, 1.27mm, Dual row, Straight, \"STDC14_MEDIUM\" : footprint compatible with FTSH-107-01-L-DV,-K,-A,-P,-ES (use \"STDC14_BIG\" to also be compatible with SHF-107-01-L-D-SM,-K)", Manufacturer=SAMTEC, Manufacturer_Part_Number=FTSH-107-01-L-DV-K, ComponentLink1Description=Datasheet, ComponentLink1URL=http://tunmcdsvn.tun.st.com/Component_Datasheet_Library/Trunk/Connectors/Samtec_FTSH_smt_series, Internal_Part_Number=MCD-00592, Part_Type=Connector, Provided_By=SUBCO, Status=Released
CN2: library part MCD-01679, "USB Type C certified Connector SMT Mid-mount", Manufacturer="LITKCON TECHNOLOGY", Manufacturer_Part_Number=CNG008S130R, ComponentLink1Description=Datasheet, ComponentLink1URL=http://tunmcdsvn.tun.st.com/Component_Datasheet_Library/Trunk/Connectors/LITKCON_TECHNOLOGY_USBTypeC_CNG008S130R/LITKCON_TECHNOLOGY_USBTypeC_CNG008S130R.pdf, Internal_Part_Number=MCD-01679, Part_Type=Connector, Provided_By=SUBCO, Status="Footprint available"
CN3: library part MCD-00028, "USB-MICRO-B, 0.65mm, RA, SMT, Bottom Mount,", Manufacturer=MOLEX, Manufacturer_Part_Number=1050170001, ComponentLink1Description=Datasheet, ComponentLink1URL=http://tunmcdsvn.tun.st.com/Component_Datasheet_Library/Trunk/Connectors/Molex_Connector-USB-microB_105017-0001, Internal_Part_Number=MCD-00028, Part_Type=Connector, Provided_By=SUBCO, Status=Released
CN4: library part MCD-00029, "Header, 4x1, 2,54mm, VR, TH, Height 5.84mm/2.54mm", Manufacturer=SAMTEC, Manufacturer_Part_Number=TSW-104-07-x-S, ComponentLink1Description=Datasheet, ComponentLink1URL=http://tunmcdsvn.tun.st.com/Component_Datasheet_Library/Trunk/Connectors/Samtec_TSW-HTSW-series, Internal_Part_Number=MCD-00029, Part_Type=Connector, Provided_By=SUBCO, Status=Released
CN5 CN6 CN11 CN12: library part MCD-01668, "Header 2x1, 2.54mm, VR, TH, height 5.84mm/5.08 mm, height total 13.46 mm", Manufacturer=LYCONN, Manufacturer_Part_Number=313102S141346, ComponentLink1Description=Datasheet, ComponentLink1URL=http://tunmcdsvn.tun.st.com/Component_Datasheet_Library/Trunk/Connectors/LYCONN_31XXX_2.54mm_L13.46mm/LYCONN_31XXX_2.54mm_L13.46mm.pdf, Internal_Part_Number=MCD-01668, Part_Type=Connector, Provided_By=SUBCO, Status="Footprint available"
CN7: library part MCD-01855, "Header 2x1, 2.54mm, VR, TH, height 5.84mm/7.50 mm, height total 15.84 mm", Manufacturer=LYCONN, Manufacturer_Part_Number=313102S1411584, ComponentLink1Description=Datasheet, ComponentLink1URL=http://tunmcdsvn.tun.st.com/Component_Datasheet_Library/Trunk/Connectors/LYCONN_313102S1411584/LYCONN_313102S1411584.pdf, ECCN_EU=n/a, ECCN_US=n/a, Internal_Part_Number=MCD-01855, Part_Type=Connector, Provided_By=SUBCO, Status="Footprint available"
CN8 CN9: library part MCD-01728, "'Header 32x1, 2.54mm, VR, TH, height 5.84mm/5.08 mm, height total 13.46 mm", Manufacturer=LYCONN, Manufacturer_Part_Number=313132S141346, ComponentLink1Description=Datasheet, ComponentLink1URL=http://tunmcdsvn.tun.st.com/Component_Datasheet_Library/Trunk/Connectors/LYCONN_31XXX_2.54mm_L13.46mm/LYCONN_31XXX_2.54mm_L13.46mm.pdf, Internal_Part_Number=MCD-01728, Part_Type=Connector, Provided_By=n/a, Status="Footprint available"
CN10: library part MCD-00031, "Tag_Connector Header, 10x2, No legs", Manufacturer="TAG-CONNECT LLC", Manufacturer_Part_Number=TC2050-IDC-NL-FP, ComponentLink1Description=Datasheet, ComponentLink1URL=http://tunmcdsvn.tun.st.com/Component_Datasheet_Library/Trunk/Connectors/TAG_Connector_TC2050-IDC-NLFP, Internal_Part_Number=MCD-00031, Part_Type=Connector, Provided_By=SUBCO, Status=Released
D1: library part MCD-01880, "ultrafast and RF switching diode, VF = 0.41 V @ IF = 1mA; VR = 70V;", Manufacturer=STMICROELECTRONICS, Manufacturer_Part_Number=BAS70JFILM, Package=SOD-323, ComponentLink1Description=Datasheet, ComponentLink1URL=http://tunmcdsvn.tun.st.com/Component_Datasheet_Library/Trunk/Diodes/STM_SCHOTTKY_BAS70JFILM, ECCN_EU=n/a, ECCN_US=n/a, Internal_Part_Number=MCD-01880, Part_Type=Diode, Provided_By="SUBCO with ST control", Status="Footprint available"
D2 D4: library part MCD-01524, "Single surface mount small signal schotky diode", Manufacturer=STMICROELECTRONICS, Manufacturer_Part_Number=BAT54FILM, Package=SOT-23, ComponentLink1Description=Datasheet, ComponentLink1URL=http://tunmcdsvn.tun.st.com/Component_Datasheet_Library/Trunk/Diodes/STM_SCHOTTKY_DOUBLE_BAT54SWFILM/STM_SCHOTTKY_DOUBLE_BAT54SWFILM.pdf, Internal_Part_Number=MCD-01524, Part_Type=Diode, Provided_By="SUBCO with ST control", Status="Footprint available"
D3 D5: library part MCD-01522, "Transil unidirectional diode Vrm=15V, Vbr=16.7V(1mA), Vcl=32.5V(71A), SMA", Manufacturer=STMICROELECTRONICS, Manufacturer_Part_Number=SMAJ15A-TR, Package=SMA, ComponentLink1Description=Datasheet, ComponentLink1URL=http://tunmcdsvn.tun.st.com/Component_Datasheet_Library/Trunk/Diodes/STM_Diode_SMAJ58A-TR/STM_Diode_SMAJ58A-TR.pdf, Internal_Part_Number=MCD-01522, Part_Type=Diode, Provided_By="SUBCO with ST control", Status="Footprint available"
D6 D7 D8: library part MCD-00606, "Low Drop power Schottky rectifier(1A, 40V, 0.37 V)", Manufacturer=STMICROELECTRONICS, Manufacturer_Part_Number=STPS1L40AY, Package=SMA, BMS_Part_Number=9151017, ComponentLink1Description=Datasheet, ComponentLink1URL=http://tunmcdsvn.tun.st.com/Component_Datasheet_Library/Trunk/Diodes/STM_SCHOTTKY_STPS1L40AY, Internal_Part_Number=MCD-00606, Part_Type=Diode, Provided_By="SUBCO with ST control", Status=Checked
D9 D10 D11: library part MCD-00034, "BAT60JFILM", Manufacturer=STMICROELECTRONICS, BMS_Part_Number=9151097, ComponentLink1Description=Datasheet, ComponentLink1URL=http://tunmcdsvn.tun.st.com/Component_Datasheet_Library/Trunk/Diodes/STM_Diode_BAT60JFILM-SOD323, Internal_Part_Number=MCD-00034, Manufacturer_Part_Number=BAT60JFILM, Part_Type=Diode, Provided_By="SUBCO with ST control", Status=Released
F1 F2: library part MCD-01682, "SMD, PTC resettable fuse, IH:0.2A, IT:0.4A, Vdc_max:30V, Rmax:5 ohm", Manufacturer=EATON, Manufacturer_Part_Number=PTS181230V020, ComponentLink1Description=Datasheet, ComponentLink1URL=http://tunmcdsvn.tun.st.com/Component_Datasheet_Library/Trunk/Misc/EATON_FUSE_PTC_Bussmann_PTS1812_Series/EATON_FUSE_PTC_Bussmann_PTS1812_Series.pdf, Internal_Part_Number=MCD-01682, Part_Type=Misc, Provided_By=SUBCO, Status="Footprint available"
JP1: library part MCD-00684, "Header, 3x1, 2,54mm, VR, TH, Height 5.84mm/2.54mm - Shunt Fitted 1-2 by default", Manufacturer=SAMTEC, Manufacturer_Part_Number=TSW-103-07-F-S, ComponentLink1Description=Datasheet, ComponentLink1URL=http://tunmcdsvn.tun.st.com/Component_Datasheet_Library/Trunk/Connectors/Samtec_TSW-HTSW-series, Internal_Part_Number=MCD-00684, Part_Type=Connector, Provided_By=SUBCO, Status=Released
JP2 JP3 JP6: library part MCD-01660, "Header 2x1, 2.54mm, VR, TH, height 6 mm / 3 mm, total 11.6mm - Shunt not Fitted by default", Manufacturer=JIUBABA, Manufacturer_Part_Number=313102S111116, ComponentLink1Description=Datasheet, ComponentLink1URL=http://tunmcdsvn.tun.st.com/Component_Datasheet_Library/Trunk/Connectors/JIUBABA_31XXX_2.54mm_L11.6mm/JIUBABA_31XXX_2.54mm_L11.6mm.pdf, Internal_Part_Number=MCD-01660, Part_Type=Connector, Provided_By=SUBCO, Status="Footprint available"
JP4 JP7: library part MCD-01662, "Header 2x1, 2.54mm, VR, TH, height 6 mm / 3 mm, total 11.6mm - Shunt Fitted by default", Manufacturer=JIUBABA, Manufacturer_Part_Number=313102S111116, ComponentLink1Description=Datasheet, ComponentLink1URL=http://tunmcdsvn.tun.st.com/Component_Datasheet_Library/Trunk/Connectors/JIUBABA_31XXX_2.54mm_L11.6mm/JIUBABA_31XXX_2.54mm_L11.6mm.pdf, Internal_Part_Number=MCD-01662, Part_Type=Connector, Provided_By=SUBCO, Status="Footprint available"
JP5: library part MCD-01661, "Header, 4x2, 2,54mm, VR, TH, Height 6mm/3m, total 11.6mm - Shunt Fitted 1-2", Manufacturer=JIUBABA, Manufacturer_Part_Number=313208S141116, ComponentLink1Description=Datasheet, ComponentLink1URL=http://tunmcdsvn.tun.st.com/Component_Datasheet_Library/Trunk/Connectors/JIUBABA_31XXX_2.54mm_L11.6mm/JIUBABA_31XXX_2.54mm_L11.6mm.pdf, Internal_Part_Number=MCD-01661, Part_Type=Connector, Provided_By=SUBCO, Status="Footprint available"
L1: library part MCD-01787, "SMD Wire wound power inductor, 51uH, 20%, Isat 1.2A, 380mohm, 5.0x5.0x4.0mm", Manufacturer=SUNLORD, Manufacturer_Part_Number=SWPA5040S510MT, ComponentLink1Description=Datasheet, ComponentLink1URL=http://tunmcdsvn.tun.st.com/Component_Datasheet_Library/Trunk/Inductors/SUNLORD_Power_Inductor_SWPA5040S-Series/SUNLORD_Power_Inductor_SWPA5040S-Series.pdf, ECCN_EU=n/a, ECCN_US=n/a, Internal_Part_Number=MCD-01787, Part_Type=Inductor, Provided_By=SUBCO, Status="Footprint available"
L2 L3 L4: library part MCD-01734, "SMD Wire wound power inductor, 100uH, 20%, Isat 0.9A, 560mohm, 5.0x5.0x4.0mm", Manufacturer=SUNLORD, Manufacturer_Part_Number=SWPA5040S101MT, ComponentLink1Description=Datasheet, ComponentLink1URL=http://tunmcdsvn.tun.st.com/Component_Datasheet_Library/Trunk/Inductors/SUNLORD_Power_Inductor_SWPA5040S-Series/SUNLORD_Power_Inductor_SWPA5040S-Series.pdf, Internal_Part_Number=MCD-01734, Part_Type=Inductor, Provided_By=SUBCO, Status="Footprint available"
L5 L6: library part MCD-01735, "Bead,300R,500mA,0603", Manufacturer=TAI-TECH, Manufacturer_Part_Number=FCM1608KF-301T05, Package=L0603, ComponentLink1Description=Datasheet, ComponentLink1URL=http://tunmcdsvn.tun.st.com/Component_Datasheet_Library/Trunk/Inductors/TaiTech_Bead_FCM1608_series, Internal_Part_Number=MCD-01735, Part_Type=Inductor, Provided_By=SUBCO, Status="Footprint available"
L7: library part MCD-00047, "SMD Chip ferrite bead, 600R@100MHz +/-25%, 350mA, 500mohm DC, 0603, T=0.8mm", Manufacturer=TAI-TECH, Manufacturer_Part_Number=FCM1608KF-601T03, ComponentLink1Description=Datasheet, ComponentLink1URL=http://tunmcdsvn.tun.st.com/Component_Datasheet_Library/Trunk/Inductors/TaiTech_Bead_FCM1608_series, Internal_Part_Number=MCD-00047, Part_Type=Inductor, Provided_By=SUBCO, Status=Released
L8: library part MCD-01372, "Inductor 6.8µH +/-20% Isat= 13.5A DCR=33.40 mOhm", Manufacturer=WURTH, Manufacturer_Part_Number="744 373 580 68", Package=WE-LHMI_SMD_8040, ComponentLink1Description=Datasheet, ComponentLink1URL=http://tunmcdsvn.tun.st.com/Component_Datasheet_Library/Trunk/Inductors/WURTH_SMD_Power_Inductor_74437358068, Internal_Part_Number=MCD-01372, Part_Type=Inductor, Provided_By=SUBCO, Status="Footprint available"
LD1: library part MCD-01580, "Mid Power RGB LED , SMD, 3x150 mA", Manufacturer=LUMEX, Manufacturer_Part_Number=SML-LX5050SIUPGUBC, ComponentLink1Description=Datasheet, ComponentLink1URL=http://tunmcdsvn.tun.st.com/Component_Datasheet_Library/Trunk/Display/LUMEX_LED_RGB_SML-LX5050SIUPGUBC/LUMEX_LED_SML-LX5050SIUPGUBC.pdf, Internal_Part_Number=MCD-01580, Part_Type=Display, Provided_By=SUBCO, Status="Footprint available"
LD2: library part MCD-01131, "LED Blue, 0603 SMD, Forward Voltage Min=2,8V, Max=3,1V", Manufacturer=EVERLIGHT, Manufacturer_Part_Number=19-217-BHC-ZL1M2RY-3T, Package=0603, ComponentLink1Description=Datasheet, ComponentLink1URL=http://tunmcdsvn.tun.st.com/Component_Datasheet_Library/Trunk/Display/Everlight_SMD-LED-BLUE_19-213BHC-ZK1L2B11X-3T/Everlight_SMD-LED-BLUE_19-217-BHC-ZL1M2RY-3T-V4.pdf, Internal_Part_Number=MCD-01131, Part_Type=Display, Provided_By=SUBCO, Status="Footprint available"
LD3: library part MCD-00321, "LED, Orange, 0603", Manufacturer=EVERLIGHT, Manufacturer_Part_Number=19-217/S2C-AM2N2VY/3T, Package="LED 0603", ComponentLink1Description=Datasheet, ComponentLink1URL=http://tunmcdsvn.tun.st.com/Component_Datasheet_Library/Trunk/Display/Everlight_SMD-LED-Orange_19-217-S2C-AM2N2VY-3T_V1, Internal_Part_Number=MCD-00321, Part_Type=Display, Provided_By=SUBCO, Status=Released
LD4 LD6 LD7: library part MCD-00050, "LED, Green, 0603", Manufacturer=EVERLIGHT, Manufacturer_Part_Number=19-213SYGC/S530-E2/TR8, Package="LED 0603", ComponentLink1Description=Datasheet, ComponentLink1URL=http://tunmcdsvn.tun.st.com/Component_Datasheet_Library/Trunk/Display/Everlight_SMD-LED-GREEN_19-213SYGC-S530-XX-TR8-v3.doc, Internal_Part_Number=MCD-00050, Part_Type=Display, Provided_By=SUBCO, Status=Released
LD5 LD8: library part MCD-00049, "LED, Red, 0603", Manufacturer=EVERLIGHT, Manufacturer_Part_Number=19-213-R6C-AP1Q2B/3T, Package="LED 0603", ComponentLink1Description=Datasheet, ComponentLink1URL=http://tunmcdsvn.tun.st.com/Component_Datasheet_Library/Trunk/Display/Everlight_SMD-LED-RED_19-213-R6C-AP1Q2B-3T-V3.doc, Internal_Part_Number=MCD-00049, Part_Type=Display, Provided_By=SUBCO, Status=Released
LD9: library part MCD-00051, "LED Bicolor", Alternate_Manufacturer=EVERLUCK, Alternate_Manufacturer_Part_Number=LE-RGW35280, Manufacturer="AVAGO TECHNOLOGIES", Manufacturer_Part_Number=HSMF-A201-A00J1, ComponentLink1Description=Datasheet, ComponentLink1URL=http://tunmcdsvn.tun.st.com/Component_Datasheet_Library/Trunk/Display/Avago_LED-SMC_HSMx-A2xx-02Feb2012, Internal_Part_Number=MCD-00051, Part_Type=Display, Provided_By=SUBCO, Status=Released
LPB1: library part MCD-01191, "10mm Square Light Bar.", Alternate_Manufacturer=LUMEX, Alternate_Manufacturer_Part_Number=LPB-S01110101S-110945, ComponentLink1Description=Datasheet, ComponentLink1URL=http://tunmcdsvn.tun.st.com/Component_Datasheet_Library/Trunk/Misc/LUMEX_LPB-S01110101S, Internal_Part_Number=MCD-01191, Manufacturer=LUMEX, Manufacturer_Part_Number=LPB-S01110101S, Part_Type=Misc, Provided_By=SUBCO, Status="Footprint available"